# Altium PCB LimeNet-Micro_2v0.PcbDoc (part 10 of 11)
Units mm, origin at the board's own origin, x right, y up, seen from the top; angles counter-clockwise.
Board outline 75 x 143 mm, 6 copper layers (Top, L2, L3, L4, L5, Bottom), stack 1.583 mm thick; 781 components, 551 nets, 3551 pads, 1336 vias.
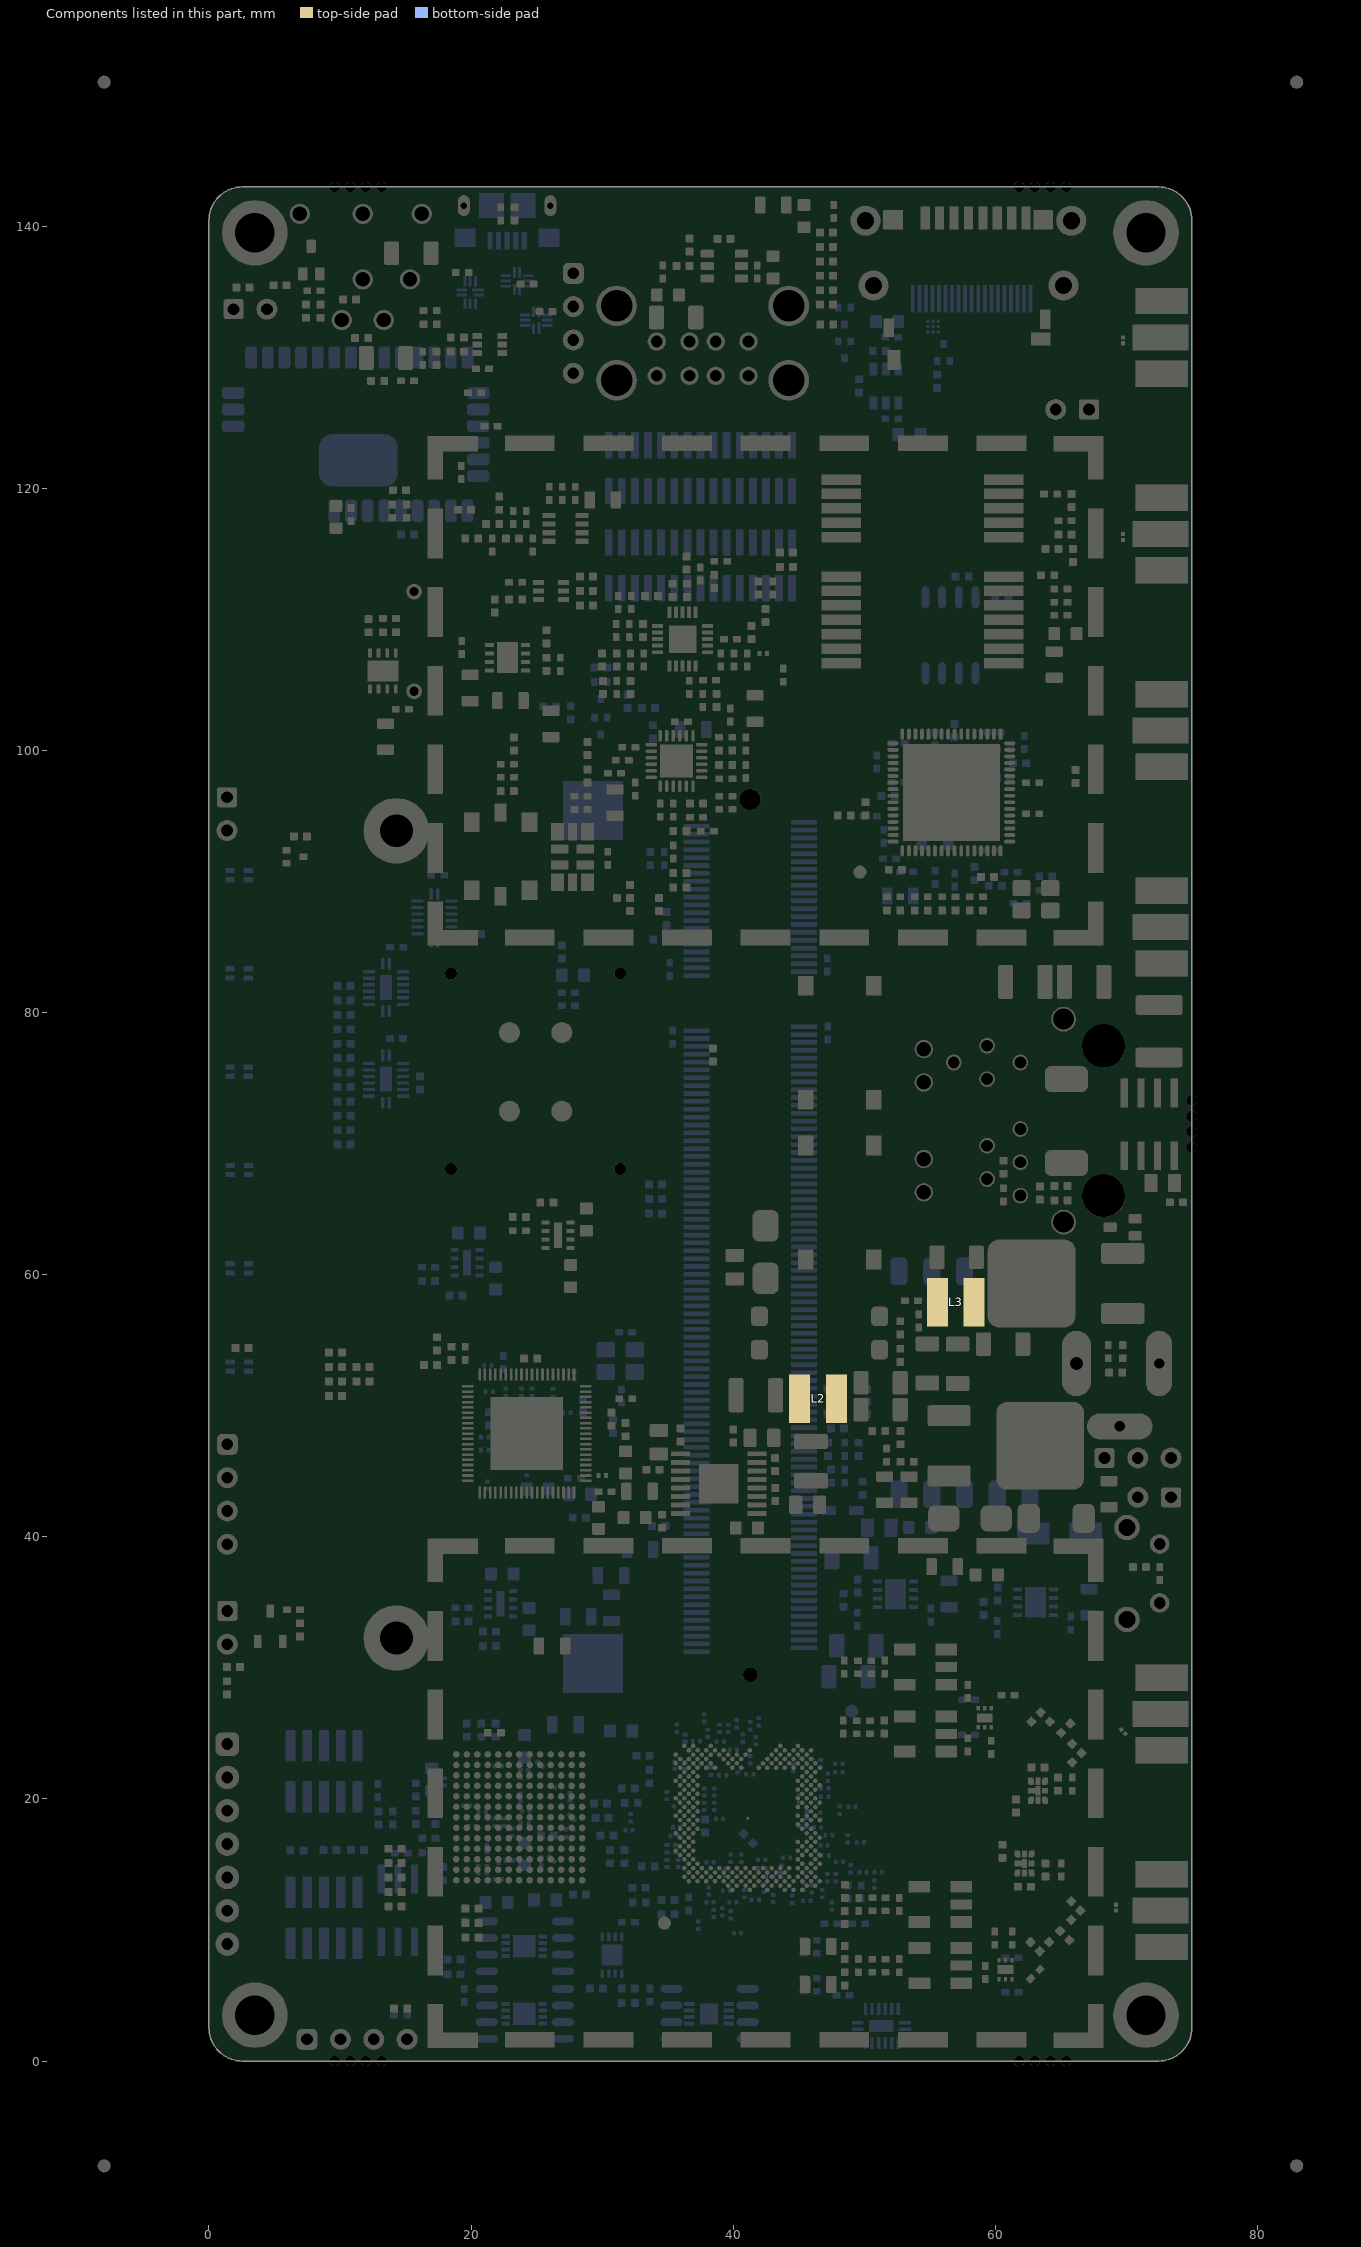
[diagram p14: the components of this part, seen from the top]

## Other copper
Top:
  pour cut-out: 59,120.1 67.75,120.1 cw(c67.75,118.3) 69.55,118.3 ccw(c69.925,118.3) 69.925,117.925 74.975,117.925 74.975,115.175 70.675,115.175 cw(c70.675,116.443) 69.779,115.546 68.893,116.432 cw(c69.661,117.2) 68.575,117.2 68.575,118.272 ccw(c67.772,118.272) 67.772,119.075 59,119.075
  pour cut-out: 1.373,45.675 1.8,45.675 cw(c1.8,44.675) 2.8,44.675 ccw(c3.375,44.675) 3.375,44.1 3.65,44.1 ccw(c3.65,45.125) 4.675,45.125 4.675,55.975 cw(c7.6,55.975) 7.6,58.9 11.1,58.9 cw(c11.1,58.4) 11.6,58.4 11.6,57.75 cw(c11.15,57.75) 11.15,57.3 8.05,57.3 ccw(c8.05,55.6) 6.35,55.6 6.35,44.977 cw(c3.81,44.977) 3.81,42.437 3.262,42.437 ccw(c3.262,41.975) 2.8,41.975 cw(c1.625,41.975) 1.625,40.8 1.3,40.8 cw(c1.3,41.8) 0.3,41.8 0.3,44.602 cw(c1.373,44.602)
  pour cut-out: 25.3,90.375 23.55,90.375 23.55,88.05 31.6,88.05 31.6,86.575 32.65,86.575 32.65,88.05 34.975,88.05 ccw(c34.975,89.2) 36.125,89.2 36.125,97.275 34.675,97.275 34.675,89.975 cw(c34.2,89.975) 34.2,89.5 cw(c34.2,90.828) 33.261,89.889 32.975,90.175 ccw(c31.225,88.425) 31.225,90.9 28.1,90.9 28.1,89.225 25.3,89.225
  pour cut-out: 54.25,92.2 54.25,91.88 cw(c52.97,91.88) 53.875,90.975 52.356,89.456 ccw(c52.612,89.2) 52.25,89.2 52.25,87.45 54.35,87.45 54.35,88.5 54.35,89.37 cw(c55.63,89.37) 54.725,90.275 ccw(c53.699,91.301) 55.15,91.301 55.15,92.2
  pour cut-out: 56.55,92.2 56.55,91.88 ccw(c57.83,91.88) 56.925,90.975 58.444,89.456 cw(c58.188,89.2) 58.55,89.2 58.55,87.45 56.45,87.45 56.45,88.5 56.45,89.37 ccw(c55.17,89.37) 56.075,90.275 cw(c57.101,91.301) 55.65,91.301 55.65,92.2
  pour cut-out: 34.852,88.075 ccw(c36.059,89.282) 36.059,87.575 38.531,87.575 cw(c38.531,87.075) 39.031,87.075 39.031,86.968 cw(c38.575,86.968) 38.575,86.512 35.579,86.512 cw(c35.579,88.604) 34.1,87.125 cw(c34.673,87.698) 33.862,87.698 33.862,88.075
  pour cut-out: 60.975,12.141 ccw(c61.725,12.141) 61.725,11.391 ccw(c61.725,12.141) 62.475,12.141 ccw(c61.725,12.141) 61.725,12.891 ccw(c61.725,12.141)
  pour cut-out: 63.508,23.408 ccw(c62.758,23.408) 62.758,24.158 ccw(c62.758,23.408) 62.008,23.408 ccw(c62.758,23.408) 62.758,22.658 ccw(c62.758,23.408)
  pour cut-out: 61.75,26.64 ccw(c61.75,25.89) 61,25.89 ccw(c61.75,25.89) 61.75,25.14 ccw(c61.75,25.89) 62.5,25.89 ccw(c61.75,25.89)
  pour cut-out: 63.819,10.797 ccw(c63.068,10.797) 63.068,11.547 ccw(c63.068,10.797) 62.318,10.797 ccw(c63.068,10.797) 63.068,10.047 ccw(c63.068,10.797)
  pour cut-out: 3.65,125.27 ccw(c3.65,126.02) 4.4,126.02 ccw(c3.65,126.02) 3.65,126.77 ccw(c3.65,126.02) 2.9,126.02 ccw(c3.65,126.02)
  pour cut-out: 3.65,126.77 cw(c3.65,126.02) 4.18,126.55 60.473,126.55 ccw(c60.473,129.09) 62.269,127.294 67.156,132.181 cw(c68.952,130.385) 68.952,132.925 75,132.925 75,130.1 68.002,130.1 ccw(c68.002,127.56) 66.206,129.356 63.084,126.234 cw(c61.271,127.934) 61.35,125.45 4.126,125.44 cw(c3.682,125.929) 3.65,125.27
  pour cut-out: 75,102.875 70.385,102.875 ccw(c70.385,101.518) 69.425,102.477 cw(c68.634,103.268) 68.634,102.15 66.552,102.15 cw(c66.552,104.69) 64.756,102.894 62.519,105.131 ccw(c60.723,103.335) 60.723,105.875 45.6,105.875 cw(c45.6,107.025) 44.45,107.025 44.45,107.425 ccw(c42.75,107.425) 42.75,109.125 38.45,109.125 38.45,107.7 42.775,107.7 cw(c42.775,107.375) 43.1,107.375 43.1,96.373 cw(c41.265,96.373) 42.562,95.075 41.4,93.912 cw(c40.525,94.787) 40.525,93.55 39.477,93.55 ccw(c39.477,91.01) 37.681,92.806 36.777,91.902 cw(c36.125,92.553) 36.125,91.632 36.125,88.85 36.775,88.85 37.396,89.471 cw(c38.25,88.618) 38.25,89.825 ccw(c38.25,92.189) 39.922,90.517 40.444,91.04 cw(c41.075,90.408) 41.075,91.301 47.299,91.301 ccw(c47.299,93.841) 49.095,92.045 50.527,93.477 cw(c52.323,91.681) 52.323,94.221 52.775,94.221 52.775,94.9 50.636,94.9 ccw(c50.636,93.364) 49.55,94.45 48.519,93.419 cw(c46.723,95.215) 46.723,92.675 45.7,92.675 cw(c45.7,93.9) 44.475,93.9 44.475,101.745 cw(c46.45,101.745) 46.45,103.72 58.953,103.72 cw(c58.953,101.18) 60.749,102.976 64.842,98.883 cw(c63.433,97.475) 65.425,97.475 65.425,97.05 ccw(c67.6,97.05) 67.6,94.875 67.735,94.875 cw(c67.735,94.11) 68.5,94.11 68.5,87.5 ccw(c70.95,87.5) 70.95,85.05 75,85.05 75,87.875 71,87.875 cw(c71,89.075) 69.8,89.075 69.8,94.35 ccw(c67.95,94.35) 67.95,96.2 67.825,96.2 cw(c67.825,97.25) 66.775,97.25 66.775,100.25 cw(c67.45,100.25) 67.45,100.925 68.595,100.925 cw(c68.595,99.645) 69.5,100.55 ccw(c70.526,101.576) 70.526,100.125 75,100.125
  region net GND: 72.7,104.295 73.275,104.295 73.275,105.875 72.7,105.875
  region net GND: 72.7,89.295 73.275,89.295 73.275,90.875 72.7,90.875
  region net GND: 72.7,119.295 73.275,119.295 73.275,120.875 72.7,120.875
  region net GND: 72.7,29.245 73.275,29.245 73.275,30.825 72.7,30.825
  region net GND: 72.7,14.245 73.275,14.245 73.275,15.825 72.7,15.825
  region net GND: 72.7,8.705 72.125,8.705 72.125,7.125 72.7,7.125
  region net GND: 72.7,8.705 73.275,8.705 73.275,7.125 72.7,7.125
  region net GND: 72.7,8.705 72.7,8.13 70.175,8.13 70.175,8.705
  region net GND: 72.7,8.705 72.7,9.28 70.175,9.28 70.175,8.705
  region net GND: 72.7,14.245 72.7,13.67 70.175,13.67 70.175,14.245
  region net GND: 72.7,14.245 72.7,14.82 70.175,14.82 70.175,14.245
  region net GND: 72.7,14.245 72.125,14.245 72.125,15.825 72.7,15.825
  region net GND: 72.7,23.705 72.125,23.705 72.125,22.125 72.7,22.125
  region net GND: 72.7,23.705 73.275,23.705 73.275,22.125 72.7,22.125
  region net GND: 72.178,23.653 72.7,23.13 70.175,23.13 70.697,23.653
  region net GND: 72.7,29.245 72.7,28.67 70.175,28.67 70.175,29.245
  region net GND: 72.7,29.245 72.7,29.82 70.175,29.82 70.175,29.245
  region net GND: 72.7,29.245 72.125,29.245 72.125,30.825 72.7,30.825
  region net GND: 72.7,113.755 72.125,113.755 72.125,112.175 72.7,112.175
  region net GND: 72.7,113.755 73.275,113.755 73.275,112.175 72.7,112.175
  region net GND: 72.7,113.755 72.7,113.18 70.175,113.18 70.175,113.755
  region net GND: 72.7,113.755 72.7,114.33 70.175,114.33 70.175,113.755
  region net GND: 72.7,119.295 72.7,118.72 70.175,118.72 70.175,119.295
  region net GND: 72.7,119.295 72.7,119.87 70.175,119.87 70.175,119.295
  region net GND: 72.7,119.295 72.125,119.295 72.125,120.875 72.7,120.875
  region net GND: 72.7,98.755 72.125,98.755 72.125,97.175 72.7,97.175
  region net GND: 72.7,98.755 73.275,98.755 73.275,97.175 72.7,97.175
  region net GND: 72.7,98.755 72.7,98.18 70.175,98.18 70.175,98.755
  region net GND: 72.7,98.755 72.7,99.33 70.175,99.33 70.175,98.755
  region net GND: 72.7,104.295 72.7,103.72 70.175,103.72 70.175,104.295
  region net GND: 72.7,104.295 72.7,104.87 70.175,104.87 70.175,104.295
  region net GND: 72.7,104.295 72.125,104.295 72.125,105.875 72.7,105.875
  region net GND: 72.7,83.755 72.125,83.755 72.125,82.175 72.7,82.175
  region net GND: 72.7,83.755 73.275,83.755 73.275,82.175 72.7,82.175
  region net GND: 72.7,83.755 72.7,83.18 70.175,83.18 70.175,83.755
  region net GND: 72.7,83.755 72.7,84.33 70.175,84.33 70.175,83.755
  region net GND: 72.7,89.295 72.7,88.72 70.175,88.72 70.175,89.295
  region net GND: 72.7,89.295 72.7,89.87 70.175,89.87 70.175,89.295
  region net GND: 72.7,89.295 72.125,89.295 72.125,90.875 72.7,90.875
  region net GND: 63.025,14.625 62.05,14.625 62.05,14.075 62.275,13.85 63.375,13.85 63.375,14.275
  region net GND: 62.987,15.545 62.037,15.545 62.037,17.055 62.737,17.055 62.987,16.805
  region net GND: 64.22,21.07 63.07,21.07 63.07,21.77 63.43,21.77 63.43,22.745 64.245,22.745 65.133,21.856 65.133,21.325 64.22,21.325
  region net GND: 55.055,32.028 55.055,30.928 57.13,30.928 57.13,31.978 56.88,32.228 55.255,32.228
  region net GND: 55.055,26.928 55.055,25.828 57.13,25.828 57.13,26.878 56.88,27.128 55.255,27.128
  region net GND: 58.617,5.298 58.617,6.398 56.542,6.398 56.542,5.348 56.792,5.098 58.417,5.098
  region net GND: 56.175,13.925 56.175,12.825 58.25,12.825 58.25,13.875 58,14.125 56.375,14.125
  region net VCC3P3_CLK: 34.675,108.85 33.888,108.85 33.437,109.3 32.888,109.3 32.813,109.375 32.813,109.75 31.988,110.575 31.988,111.1 33.038,111.1 33.663,110.475 33.988,110.475 34.675,109.788
  region net VCC3P3_LMK2: 31.725,96.625 31.725,96.813 32.162,97.25 32.512,97.25 32.512,99.062 32.325,99.25 31.738,99.25 31.15,98.662 31.15,97.9 30.95,97.7 30.575,97.7 30.225,97.35 30.225,96.625
  region net NetC246_2: 37.6,107.35 38.4,107.35 38.65,107.1 42.2,107.1 42.2,107.7 39,107.7 38.55,108.15 37.6,108.15
  region net TX1_1_DUP: 62.933,21.625 62.508,21.625 62.508,21.075 62.933,21.075
  region net TX1_2_DUP: 61.9,16.075 61.475,16.075 61.475,15.525 61.9,15.525
  region net RX1_L_DUP: 61.9,14.075 61.475,14.075 61.475,14.625 61.9,14.625
  region net VCC1P8_LMS: 45.688,8.375 45.574,8.261 44.836,8.261 44.718,8.379 44.719,8.725 45.688,8.725
  region net VCC1P8_LMS: 45.688,9.075 45.574,9.19 44.829,9.19 44.719,9.079 44.719,8.725 45.688,8.725
  region net VCC1P8_LMS: 45.688,6.176 45.574,6.29 44.829,6.29 44.719,6.179 44.719,5.826 45.688,5.826
  region net VCC1P8_LMS: 45.688,5.476 45.574,5.361 44.836,5.361 44.718,5.479 44.719,5.826 45.688,5.826
  region net VCC1P8_LMS: 48.861,10.749 48.975,10.635 48.975,9.897 48.857,9.779 48.511,9.779 48.511,10.749
  region net VCC1P8_LMS: 48.161,10.749 48.047,10.635 48.047,9.89 48.157,9.779 48.511,9.779 48.511,10.749
  region net VCC1P8_LMS: 48.868,13.149 48.982,13.263 48.982,14.008 48.872,14.119 48.518,14.119 48.518,13.149
  region net VCC1P8_LMS: 48.168,13.149 48.054,13.263 48.054,14.001 48.172,14.119 48.518,14.119 48.518,13.149
  region net NetC261_1: 24.7,115.875 25.3,115.875 25.4,115.775 26.475,115.775 26.475,116.825 25.4,116.825 25.3,116.725 24.55,116.725 24.45,116.625 24.45,116.125
  region net NetC124_1: 43.365,112.2 43.365,111.05 42.815,110.5 42.115,110.5 41.565,111.05 41.565,112.2
  region net GND: 26.586,89.45 25.625,89.45 25.625,90.45 26.586,90.45
  region net TX1_1_DUP: 62.508,21.075 62.933,21.075 62.933,21.625 62.508,21.625
  pour cut-out: 41.94,5.81 44.175,3.575 63.65,3.575 67.05,6.975 67.05,10.35 69.25,10.35 69.9,9.7 75,9.7 75,13.25 69.85,13.25 69.125,12.525 67.05,12.525 67.05,15.25 65.825,16.475 54.196,16.475 52.646,14.925 41.94,14.925
  pour cut-out: 45.27,23.71 47.44,23.71 49.775,21.375 56.525,21.375 59.2,18.7 65.75,18.7 69.4,22.35 70.7,23.65 70.7,24.7 74.975,24.7 74.975,28.225 70.075,28.225 68.3,26.45 68.3,24.525 67.05,24.525 67.05,27.175 60.9,33.325 46.85,33.325 40.608,27.083 40.608,22.378 43.938,22.378
  region net VCC3P3A_ETH: 54.75,87.8 54.75,86.45 56.05,86.45 56.05,87.8
  region net GND: 64.22,20.18 63.07,20.18 63.07,19.02 63.43,19.02 63.43,18.645 64.22,18.645 64.22,19.925
  region net VCC1P8: 32.55,39.4 32.55,37.975 33.25,37.275 53.825,37.275 54.062,37.512 54.063,38.338 53.8,38.6 34.175,38.6 33.25,39.525 32.675,39.525
  region net VCC5P0: 27.272,63.65 28.022,63.65 28.572,64.2 29.747,64.2 29.747,62.475 28.547,62.475 28.022,63 27.272,63
  region net VCC3P3_2: 27.272,62.2 27.147,62.075 27.147,60.15 28.472,60.15 28.847,60.525 28.847,61.5 28.147,62.2
  pour cut-out: 8.3,124.14 8.3,99 0,99 0,124.14
  region net VCC5P0_POE: 53.8,56.275 54.5,56.275 54.675,56.45 54.675,62.125 54.975,62.425 56.45,62.425 56.75,62.125 56.75,56.2 57.3,55.65 58,55.65 58.15,55.5 58.15,53.975 58.025,53.85 54.094,53.85 53.8,54.144
  region net NetC278_2: 58.525,53.8 58.525,55.575 58.225,55.875 57.85,55.875 57.55,56.175 57.55,59.725 57.725,59.9 59.1,59.9 59.35,60.15 59.35,62.375 59.725,62.75 65.875,62.75 66.275,62.35 66.275,56.375 65.85,55.95 60.875,55.95 59.725,54.8 59.725,53.8
  region net NetR219_1: 71.3,56.2 71.775,56.675 71.775,62.175 71.5,62.45 68.075,62.45 67.875,62.25 67.875,56.5 68.175,56.2
  region net NetC273_1: 69.525,70.15 69.525,67.862 70.275,67.112 70.275,66.275 72.575,66.275 72.625,66.325 72.625,67.65 72.725,67.75 72.725,70.125 72.65,70.2 69.575,70.2
  region net NetC284_2: 47.075,52.625 47.075,48.675 48.1,47.65 49.075,47.65 50.325,48.9 50.325,52.555 50.105,52.775 47.225,52.775
  region net NetC284_2: 58.4,40.1 58.625,40.325 58.625,42.087 58.312,42.4 55.025,42.4 54.45,41.825 54.45,40.1
  region net NetD2_C: 58.875,40.675 59.3,40.25 63.388,40.25 63.55,40.412 63.55,42.339 63.289,42.6 59.35,42.6 58.875,42.125
  region net NetC272_1: 63.775,68.075 63.775,70.85 64.15,71.225 66.725,71.225 67.075,70.875 67.075,68.1
  region net POE_GND: 67.7,70.875 67.7,75.2 72.225,75.2 72.225,77.325 74.3,77.325 74.3,75.2 74.3,70.875
  region net NetD2_A: 58.55,47.4 59.525,48.375 59.525,49.329 60.496,50.3 61.277,50.3 61.277,43.605 59.7,43.6 58.55,44.75
  region net GND: 57.85,60.425 57.5,60.775 57.5,63.699 57.601,63.8 58.95,63.8 59.125,63.625 59.125,60.5 59.05,60.425
  region net GND: 53.925,52.362 54.063,52.5 59.9,52.5 61.1,53.7 61.1,55.15 61.575,55.625 62.637,55.625 62.787,55.475 62.787,52.912 60.85,50.975 54.1,50.975 53.925,51.15
  region net NetC138_2: 60.975,68 59.196,68 58.75,67.554 58.75,67.025 59.475,66.3 60.975,66.3
  region net POE_VSS: 34.224,40.987 34.924,40.987 35.117,41.18 35.117,41.812 35.28,41.975 36.8,41.975 37.4,42.575 40.45,42.575 40.65,42.375 40.65,40.325 40.55,40.225 34.224,40.225
  region net POE_GND: 41.072,41.95 41.05,41.928 41.05,40.325 41.8,40.325 42.575,41.1 42.575,41.95
  region net NetR228_2: 50.9,43.856 50.9,44.925 51.075,45.1 53.275,45.1 53.475,45.3 53.475,46.075 57.225,46.075 57.775,45.525 57.775,43.9 57.575,43.7 51.056,43.7
  region net VCC5P0_POE: 67.925,43.85 67.925,44.412 67.375,44.962 67.375,46.584 67.591,46.8 69.307,46.8 69.761,46.345 69.761,43.85
  region net VCC5P0: 67.925,43.075 68.289,43.439 69.864,43.439 70.25,43.825 71.225,43.825 71.725,43.325 71.725,42.325 71.2,41.8 68.1,41.8 67.925,41.975
  region net POE_GND: 50.975,42.2 54,42.2 54.175,42.375 54.175,43 53.825,43.35 50.906,43.35 50.906,42.275
  region: 21.272,13.794
  region net VCC3P3_2: 20.75,51.925 20.55,51.925 20.25,52.225 20.25,52.775 20.566,53.091 20.65,53.091 20.75,52.991
  region net VCC3P3_2: 55.55,100.822 53.847,100.822 53.75,100.919 53.75,101.641 53.591,101.8 53.225,101.8 53.05,101.625 53.05,100.9 52.975,100.825 52.801,100.825 52.701,100.925 52.701,101.876 53.036,102.211 55.339,102.211 55.625,101.925 55.625,100.896
  region net VCC5P0: 29.225,62.575 29.975,61.825 29.975,61.075 30.475,60.575 31.05,60.575 31.425,60.95 31.425,62.7 29.925,64.2 29.225,64.2
  region net VCC3P3_2: 28.472,60.15 28.072,59.75 25.255,59.75 24.775,60.23 24.775,61.525 28.472,61.525
  region net VCC3P3_CLK: 27.25,106.375 23.9,106.375 23.775,106.25 23.775,105.25 23.975,105.05 27.3,105.05 27.45,105.2 27.45,106.175
  region: 21.8,106.125
  region net NetC308_2: 21.8,105.975 21.075,105.25 19.144,105.25 19.03,105.364 19.03,107.339 20.191,108.5 21.625,108.5 21.775,108.35 21.775,107.875 21.675,107.775 20.975,107.775 20.775,107.575 20.775,106.65 20.95,106.475 21.675,106.475 21.8,106.35
  region net VCC5P0: 19.18,104.164 19.18,103.492 19.705,102.967 20.572,102.967 20.68,103.075 20.68,104.164
  region net GND: 22.78,107.089 23.325,107.089 23.325,108.925 22.78,108.925
  region net GND: 22.78,107.089 22.234,107.089 22.234,108.925 22.78,108.925
  region net GND: 22.78,107.089 23.325,107.089 23.325,105.253 22.78,105.253
  region net GND: 22.78,107.089 22.234,107.089 22.234,105.253 22.78,105.253
  region: 26.775,32.425
  region net VCC3P3_2: 26.775,30.925 26.775,33.389 27.561,34.175 28.375,34.175 28.525,34.025 28.525,33.325 28.15,32.95 28.15,31.303 27.772,30.925
  region net VCC3P3: 25.575,32.425 24.868,32.425 24.55,32.107 24.55,30.05 24.717,29.883 25.633,29.883 25.85,30.1 25.85,32.15
  region net VCC1P8: 53.8,38.6 55.411,38.6 55.536,38.475 55.536,36.975 53.775,36.975 53.475,37.275 53.475,38.275
  region net VCC1P8_LMS: 56.725,38.475 56.8,38.55 59.1,38.55 59.375,38.275 59.375,36.525 59.25,36.4 57.311,36.4 56.736,36.975
  region net VCC3P3: 22.4,104.55 21.425,104.55 21.125,104.25 21.125,103.325 21.4,103.05 22.4,103.05
  region net VCC3P3_CLK: 23.775,105.25 23.6,105.075 23.6,103.05 24.025,102.625 26.836,102.625 26.836,105.25
  region net GND: 13.325,106.075 13.325,105.53 11.489,105.53 11.489,106.075
  region net GND: 13.275,106.075 13.275,105.53 15.111,105.53 15.111,106.075
  region net GND: 13.325,106.075 13.325,106.62 11.489,106.62 11.489,106.075
  region net GND: 13.275,106.075 13.275,106.62 15.111,106.62 15.111,106.075
  region net VCC2P5: 13.968,108.675 13.968,107.2 14.093,107.075 15.068,107.075 15.218,107.225 15.218,110.425 15.018,110.625 14.168,110.625 13.968,110.425
  region net NetC302_2: 14.475,105.1 14.75,104.825 14.75,102.075 14.25,101.575 12.725,101.575 11.95,102.35 11.95,105 12.05,105.1 12.51,105.1 12.585,105.025 12.585,104.24 12.7,104.125 13.85,104.125 13.95,104.225 13.95,104.957 14.093,105.1
  region net VCC2P5: 15.018,110.625 14.343,111.3 13.85,111.3 13.675,111.125 13.675,110.718 13.968,110.425 14.818,110.425
  region net VCC2P5: 19.3,118.951 18.576,119.675 17.775,119.675 17.65,119.55 17.65,118.95 18.575,118.025 19.3,118.025
  region net VCC5P0: 12.725,100.45 12.725,99.778 13.25,99.253 14.117,99.253 14.225,99.361 14.225,100.45
  region net GND: 72.7,128.755 72.125,128.755 72.125,127.175 72.7,127.175
  region net GND: 72.7,128.755 72.7,128.18 70.175,128.18 70.175,128.755
  region net GND: 72.7,128.755 72.7,129.33 70.175,129.33 70.175,128.755
  region net GND: 72.7,128.755 73.275,128.755 73.275,127.175 72.7,127.175
  region net GND: 72.7,134.295 72.125,134.295 72.125,135.875 72.7,135.875
  region net GND: 72.7,134.295 72.7,134.87 70.175,134.87 70.175,134.295
  region net GND: 72.7,134.295 72.7,133.72 70.175,133.72 70.175,134.295
  region net GND: 72.7,134.295 73.275,134.295 73.275,135.875 72.7,135.875
  region net POE_GND: 42.575,41.1 42.939,40.736 42.939,40.35 42.739,40.15 41.225,40.15 41.05,40.325 41.825,41.1
  region net POE_GND: 44.95,44.575 44.95,43.775 45.475,43.25 46.9,43.25 47.025,43.375 47.025,44.65 46.825,44.85 45.225,44.85
  region net POE_VIN: 42.65,48.975 42.775,48.85 43.9,48.85 44.625,48.125 44.625,46.775 44.775,46.625 47.114,46.625 47.231,46.742 47.231,47.894 46.188,48.938 46.187,53.588 45.4,54.375 44.275,54.375 42.65,52.75
  region net POE_AGND: 41.038,48.356 41.038,48.693 42.194,49.85 42.375,49.85 42.375,48.025 42.044,48.356
  region net POE_AGND: 47.45,43.136 47.45,42.276 46.6,42.276 46.6,43.136
  region net POE_VIN: 65.866,83.65 65.866,81.025 63,81.025 63,83.65
  region net VCC3P3_CLK: 30.225,95.425 30.225,94.513 30.688,94.05 32,94.05 32.1,94.15 32.1,95.05 31.725,95.425
  region net GND: 58.6,26.525 60.85,26.525 60.85,25.825 58.6,25.825
  region net GND: 59.875,7.323 61.775,7.323 61.775,6.623 59.875,6.623
  pour cut-out: 31.429,40.213 75,40.213 75,81.525 43,81.525 43,66.85 31.429,55.279
  region net GND: 70.775,79.825 70.675,79.925 70.675,81.65 74.325,81.65 74.325,79.95 74.2,79.825
L2:
  pour cut-out: 62.318,10.797 cw(c63.068,10.797) 63.068,11.547 cw(c63.068,10.797) 63.818,10.797
  pour cut-out: 62.475,12.141 cw(c61.725,12.141) 61.725,11.391 cw(c61.725,12.141) 60.975,12.141
  pour cut-out: 62.008,23.408 cw(c62.758,23.408) 62.758,24.158 cw(c62.758,23.408) 63.508,23.408
  pour cut-out: 61.75,25.14 cw(c61.75,25.89) 61,25.89 cw(c61.75,25.89) 61.75,26.64
  pour cut-out: 3.65,125.27 cw(c3.65,126.02) 2.9,126.02 cw(c3.65,126.02) 3.65,126.77
  region net GND: 71.977,40.086 72.5,40.609 72.5,41.7 69.058,41.7 69.041,41.716 69.041,40.086
  pour cut-out: 56.566,9.074 58.241,9.074 58.241,8.174 56.566,8.174
  pour cut-out: 70.475,12.475 70.475,10.475 74.755,10.475 74.755,12.475
  pour cut-out: 70.475,27.475 70.475,25.475 74.755,25.475 74.755,27.475
  pour cut-out: 70.475,117.525 70.475,115.525 74.755,115.525 74.755,117.525
  pour cut-out: 70.475,87.525 70.475,85.525 74.755,85.525 74.755,87.525
  pour cut-out: 70.475,102.525 70.475,100.525 74.755,100.525 74.755,102.525
  pour cut-out: 53.386,6.384 55.061,6.384 55.061,5.484 53.386,5.484
  pour cut-out: 53.386,9.074 55.061,9.074 55.061,8.174 53.386,8.174
  pour cut-out: 53.376,13.749 55.051,13.749 55.051,12.849 53.376,12.849
  pour cut-out: 53.376,11.059 55.051,11.059 55.051,10.159 53.376,10.159
  pour cut-out: 56.556,11.059 58.231,11.059 58.231,10.159 56.556,10.159
  pour cut-out: 52.256,24.063 53.931,24.063 53.931,23.163 52.256,23.163
  pour cut-out: 55.436,24.063 57.111,24.063 57.111,23.163 55.436,23.163
  pour cut-out: 52.256,26.753 53.931,26.753 53.931,25.853 52.256,25.853
  pour cut-out: 55.436,29.163 57.111,29.163 57.111,28.263 55.436,28.263
  pour cut-out: 52.256,29.163 53.931,29.163 53.931,28.263 52.256,28.263
  pour cut-out: 52.256,31.853 53.931,31.853 53.931,30.953 52.256,30.953
  pour cut-out: 8.3,124.14 8.3,99 0,99 0,124.14
  pour cut-out: 46.8,40.212 75,40.213 75,81.525 46.8,81.525
  region net GND: 67.45,39.95 67.45,40.125 69.375,42.05 71.85,42.05 71.85,39.95
L3:
  pour cut-out: 31.819,87.1 cw(c29.572,87.1) 31.161,85.511 29.719,84.069 ccw(c31.515,82.273) 28.975,82.273 28.975,80.102 cw(c26.435,80.102) 28.231,78.306 27.363,77.438 ccw(c29.159,75.642) 26.619,75.642 26.619,73.984 27.231,73.984 27.231,75.154 cw(c29.771,75.154) 27.975,76.95 28.956,77.931 ccw(c27.16,79.727) 29.7,79.727 29.7,81.998 cw(c32.24,81.998) 30.444,83.794 31.687,85.037 ccw(c29.891,86.833) 32.431,86.833 32.431,87.1
  pour cut-out: 62.318,10.797 ccw(c63.068,10.797) 63.068,10.047 ccw(c63.068,10.797) 63.819,10.797 ccw(c63.068,10.797) 63.068,11.547 ccw(c63.068,10.797)
  pour cut-out: 62.475,12.141 ccw(c61.725,12.141) 61.725,12.891 ccw(c61.725,12.141) 60.975,12.141 ccw(c61.725,12.141) 61.725,11.391 ccw(c61.725,12.141)
  pour cut-out: 62.008,23.408 ccw(c62.758,23.408) 62.758,22.658 ccw(c62.758,23.408) 63.508,23.408 ccw(c62.758,23.408) 62.758,24.158 ccw(c62.758,23.408)
  pour cut-out: 61.75,25.14 ccw(c61.75,25.89) 62.5,25.89 ccw(c61.75,25.89) 61.75,26.64 ccw(c61.75,25.89) 61,25.89 ccw(c61.75,25.89)
  pour cut-out: 3.65,126.77 ccw(c3.65,126.02) 2.9,126.02 ccw(c3.65,126.02) 3.65,125.27 ccw(c3.65,126.02) 4.4,126.02 ccw(c3.65,126.02)
  pour cut-out: 38.61,24.94 39.275,24.94 39.275,28.357 cw(c41.815,28.357) 40.019,30.153 44.859,34.993 ccw(c43.063,36.789) 45.603,36.789 45.603,94.72 ccw(c43.063,94.72) 44.859,96.516 43.875,97.5 ccw(c42.547,96.172) 42.547,98.05 41.35,98.05 cw(c41.35,98.65) 40.75,98.65 40.75,99.23 cw(c41.17,99.23) 41.17,99.65 41.575,99.65 ccw(c41.575,100) 41.925,100 ccw(c41.425,100) 41.425,100.5 41.09,100.5 ccw(c41.09,99.5) 40.09,99.5 40.09,98.46 ccw(c41.3,98.46) 41.3,97.25 42.388,97.25 cw(c42.388,95.465) 43.65,96.727 44.256,96.121 cw(c42.46,94.325) 45,94.325 45,37.159 cw(c42.46,37.159) 44.256,35.363 39.354,30.461 ccw(c41.15,28.665) 38.61,28.665
  pour cut-out: 42.933,99.225 cw(c42.933,96.685) 44.729,98.481 45.858,97.352 cw(c44.062,95.556) 46.602,95.556 46.602,26.032 ccw(c47.107,26.032) 46.75,25.675 46.874,25.551 cw(c45.968,24.644) 47.25,24.644 47.25,20.317 cw(c46.396,20.317) 47,19.714 ccw(c47.362,19.352) 46.85,19.352 46.85,18.988 ccw(c48.216,18.988) 47.25,18.022 47.343,17.929 cw(c46.362,16.947) 47.75,16.947 47.75,16.182 cw(c45.654,16.182) 47.136,14.7 cw(c45.573,16.263) 45.573,14.053 45.505,14.053 45.505,14.77 ccw(c45.5,16.224) 46.524,15.199 46.725,15.4 ccw(c45.951,16.174) 47.046,16.174 47.046,16.786 ccw(c46.036,16.786) 46.75,17.5 cw(c47.911,18.661) 46.269,18.661 46.269,19.677 cw(c46.802,19.677) 46.425,20.054 ccw(c45.942,20.537) 46.625,20.537 46.625,24.517 ccw(c46.086,24.517) 46.467,24.898 46.41,24.955 cw(c47.761,26.307) 45.85,26.307 45.85,95.244 ccw(c43.31,95.244) 45.106,97.04 44.415,97.731 ccw(c42.619,95.935) 42.619,98.475 41.4,98.475 cw(c41.4,98.858) 41.017,98.858 41.017,98.875 cw(c41.367,98.875) 41.367,99.225
  region net VCC3P3: 25.625,30.138 25.387,29.9 24.863,29.9 24.612,30.15 24.612,30.85 24.762,31 25.462,31 25.625,30.838
  pour cut-out: 70.475,12.475 70.475,10.475 74.755,10.475 74.755,12.475
  pour cut-out: 70.475,27.475 70.475,25.475 74.755,25.475 74.755,27.475
  pour cut-out: 70.475,117.525 70.475,115.525 74.755,115.525 74.755,117.525
  pour cut-out: 70.475,87.525 70.475,85.525 74.755,85.525 74.755,87.525
  pour cut-out: 70.475,102.525 70.475,100.525 74.755,100.525 74.755,102.525
  pour cut-out: 8.3,124.14 8.3,99 0,99 0,124.14
  pour cut-out: 8.3,124.14 8.3,99 0,99 0,124.14
  pour cut-out: 47.35,40.9 75,40.9 75,81.525 47.35,81.525
  text "A" at 4.718,136.02 h0.7
  text "V" at 5.718,136.02 h0.7
  text "D" at 6.818,136.02 h0.7
  text "R" at 7.368,136.02 h0.7
  text "L" at 5.193,135.445 h0.7
L4:
  pour cut-out: 62.318,10.797 ccw(c63.068,10.797) 63.068,10.047 ccw(c63.068,10.797) 63.819,10.797 ccw(c63.068,10.797) 63.068,11.547 ccw(c63.068,10.797)
  pour cut-out: 62.475,12.141 ccw(c61.725,12.141) 61.725,12.891 ccw(c61.725,12.141) 60.975,12.141 ccw(c61.725,12.141) 61.725,11.391 ccw(c61.725,12.141)
  pour cut-out: 62.008,23.408 ccw(c62.758,23.408) 62.758,22.658 ccw(c62.758,23.408) 63.508,23.408 ccw(c62.758,23.408) 62.758,24.158 ccw(c62.758,23.408)
  pour cut-out: 61.75,25.14 ccw(c61.75,25.89) 62.5,25.89 ccw(c61.75,25.89) 61.75,26.64 ccw(c61.75,25.89) 61,25.89 ccw(c61.75,25.89)
  pour cut-out: 3.65,126.77 ccw(c3.65,126.02) 2.9,126.02 ccw(c3.65,126.02) 3.65,125.27 ccw(c3.65,126.02) 4.4,126.02 ccw(c3.65,126.02)
  pour cut-out: 70.475,12.475 70.475,10.475 74.755,10.475 74.755,12.475
  pour cut-out: 70.475,27.475 70.475,25.475 74.755,25.475 74.755,27.475
  pour cut-out: 70.475,117.525 70.475,115.525 74.755,115.525 74.755,117.525
  pour cut-out: 70.475,87.525 70.475,85.525 74.755,85.525 74.755,87.525
  pour cut-out: 70.475,102.525 70.475,100.525 74.755,100.525 74.755,102.525
  region net VCC1P4_LMS: 30.325,11.275 30.325,11.525 30.6,11.8 31,11.8 31.25,11.55 31.25,11.275
  pour cut-out: 8.3,124.14 8.3,99 0,99 0,124.14
  region net VCC3P3_2: 26.2,53.775 26.2,51.425 24.65,51.425 24.65,52.803 25.622,53.775
  region net VCC3P3_2: 28.925,37.45 29.45,36.925 29.45,36.15 28.925,35.625
  region net VCC3P3_2: 28.975,34.4 28.975,33.775 28.35,33.15 27.6,33.15 27.475,33.275 27.475,34.4
  region net VCC3P3_2: 27.5,50.5 27.5,49.425 27.95,48.975 28.5,48.975 28.5,50.5
  pour cut-out: 47.35,40.9 75,40.9 75,81.525 47.35,81.525
L5:
  pour cut-out: 63.819,10.797 cw(c63.068,10.797) 63.068,10.047 cw(c63.068,10.797) 62.318,10.797
  pour cut-out: 62.475,12.141 cw(c61.725,12.141) 61.725,11.391 cw(c61.725,12.141) 60.975,12.141
  pour cut-out: 62.008,23.408 cw(c62.758,23.408) 62.758,24.158 cw(c62.758,23.408) 63.508,23.408
  pour cut-out: 61.22,26.421 cw(c61.75,25.89) 62.281,26.421 cw(c61.75,25.89) 62.281,25.36
  pour cut-out: 3.65,126.77 cw(c3.65,126.02) 4.4,126.02 cw(c3.65,126.02) 3.65,125.27
  pour cut-out: 57.912,46.953 57.912,44.75 60.687,44.75 60.687,46.947
  pour cut-out: 75,75.6 75,46.918 51.525,46.918 51.525,59.637 59.6,59.637 59.6,75.624
  pour cut-out: 8.3,124.14 8.3,99 0,99 0,124.14

## Text inside footprints (layer, text, board x,y; h text height)
T4: Mechanical13 "Pri*" at 51.681,31.753 h0.2 r270; Mechanical13 "Pri" at 51.681,28.953 h0.2 r270; Mechanical13 "Sec*" at 57.481,31.753 h0.2 r270; Mechanical13 "Sec" at 57.481,29.053 h0.2 r270; Mechanical13 "NC" at 57.481,30.253 h0.2 r270
T5: ASM BOT "6" at 62.15,60.25 h0.55 r270; ASM BOT "1" at 52.15,42.75 h0.55 r270; ASM BOT "10" at 52.15,60.25 h0.55 r270; ASM BOT "5" at 62.15,42.75 h0.55 r270
VD1: ASM BOT "A1" at 55.2,131.825 h0.25 r270; ASM BOT "C3" at 54.675,132.4 h0.25 r270
VD3: ASM TOP "A" at 42.675,59.525 h0.55 r90; ASM TOP "C" at 42.675,63.525 h0.55 r90
VD6: ASM TOP "C" at 55.6,41.129 h0.55; ASM TOP "A" at 60.025,41.125 h0.55
VD7: ASM BOT "A" at 62.825,40 h0.55; ASM BOT "C" at 67.4,39.925 h0.55
VT2: ASM TOP "G" at 5.86,92.289 h0.3; ASM TOP "D" at 7.16,91.789 h0.3; ASM TOP "S" at 5.86,91.289 h0.3
VT3: ASM BOT "S" at 30.475,102.4 h0.3; ASM BOT "D" at 30.025,101.05 h0.3; ASM BOT "G" at 29.5,102.375 h0.3
VT4: ASM BOT "G" at 29.5,105.075 h0.3; ASM BOT "D" at 30,103.75 h0.3; ASM BOT "S" at 30.475,105.075 h0.3
VT5: ASM BOT "S" at 49.093,133.858 h0.3 r90; ASM BOT "D" at 48.593,132.558 h0.3 r90; ASM BOT "G" at 48.093,133.858 h0.3 r90
VT6: ASM BOT "S" at 49.093,131.288 h0.3 r90; ASM BOT "D" at 48.593,129.988 h0.3 r90; ASM BOT "G" at 48.093,131.288 h0.3 r90
VT7: ASM BOT "S" at 55.45,129.68 h0.3 r270; ASM BOT "D" at 55.95,130.98 h0.3 r270; ASM BOT "G" at 56.45,129.68 h0.3 r270
XO1: TopOverlay "OCXO" at 20.7,74.15 h0.7 r90